# Altium PCB Bran_Main_Assay_PCB_v2_20170826.pcbdoc (part 2 of 4) (continued)
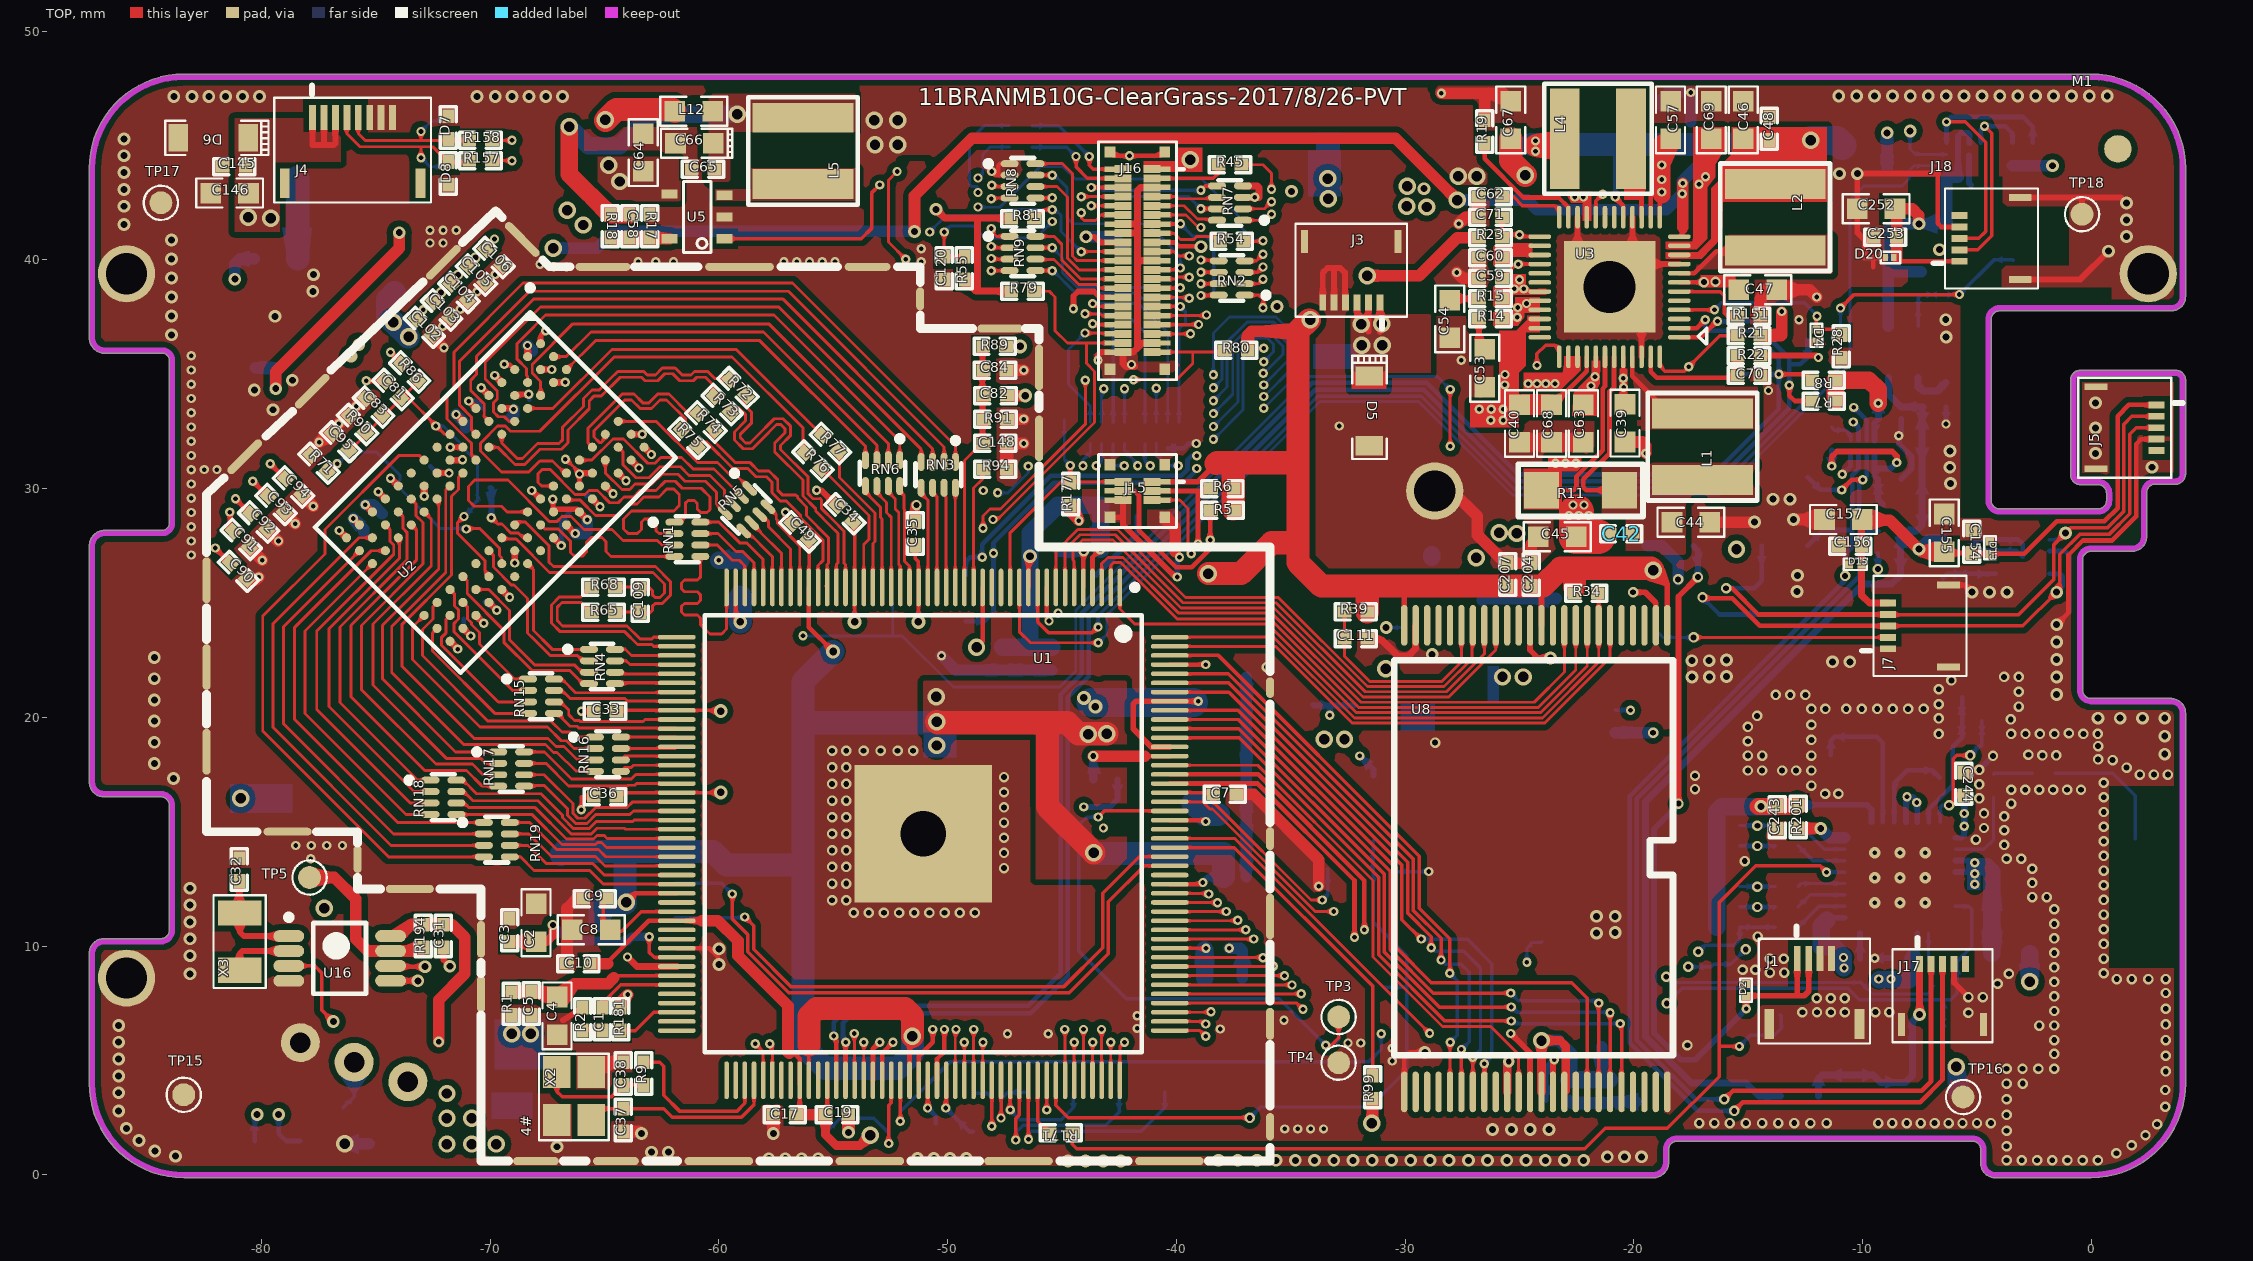
[diagram p0: TOP view]
## Nets (pads, with @x,y where several pads share a name; then routed paths per layer and width w, separated by ;. In a path a pad name is that pad's centre, name@x,y a point inside that pad or via, vN(x,y) a via of type N, cw(c..) or ccw(c..) an arc to the next point about the centre after c; other vN are vias at no path point) (continued)
  TOP w0.305: J16.42@-42.335,35.941 -42.335,35.484 -42.201,35.35 v1@-41.82,35.35 ; J16.42@-42.335,35.97 -41.886,35.97 -41.705,36.15 ; J16.16@-42.335,41.17 -41.709,41.17 ; J16.14@-42.335,41.57 -41.709,41.57 ; J16.39@-41.065,36.37 -41.486,36.37 -41.705,36.15 ; J16.21@-41.065,39.97 -41.564,39.97 -41.705,39.829 ; J16.5@-41.065,43.17 -41.564,43.17 -41.705,43.029 -41.705,39.829 ; RN7.3@-37.09,42.738 -37.085,42.742 -36.384,42.742 -36.384,43.173 -36.448,43.238 RN7.4@-37.09,43.238 ; C111.1@-31.643,23.444 C111.1@-31.647,23.44 -31.601,23.393 -31.025,23.393 -30.314,22.682 -29.855,22.682 -29.533,23.004 U8.23@-29.533,24.024 U8.23@-29.531,24.022 ; -41.705,36.15 -41.705,39.829
  TOP w0.381: C102.2@-72.487,36.661 -72.487,36.635 v1(-72.02,36.168) ; v1(-72.071,37.107) -71.755,37.423 C103.2@-71.725,37.423 ; v1(-71.309,37.844) C104.2@-70.964,38.184 ; v1(-70.572,38.606) -70.231,38.947 C105.2@-70.201,38.947 ; v1(-69.785,39.368) C106.2@-69.44,39.708 ; C35.1@-51.42,28.6 -51.43,28.649 v2@-51.437,29.183 ; v2@-51.437,29.183 -51.437,29.282 v2(-51.361,29.282) v2@-51.437,29.183
  TOP w0.508: C90.2@-80.615,25.993 -80.264,25.993 v1(-80.122,26.135) ; C91.2@-80.488,27.39 v1(-79.97,26.871) ; C92.2@-79.726,28.152 -79.701,28.152 v1(-79.259,27.709) ; C93.2@-78.964,28.914 v1(-78.522,28.471) ; C94.2@-78.202,29.676 -78.177,29.676 v1(-77.735,29.233) ; v1(-77.481,32.027) -77.059,32.449 C95.2@-76.937,32.449 ; v1(-76.617,32.84) -76.247,33.211 R90.1@-76.2,33.211 ; v1(-75.855,33.602) C83.1@-75.49,33.973 ; C10.1@-66.642,9.228 -66.642,11.645 C9.1@-66.125,12.162 ; X2.2@-65.583,4.495 -65.151,4.927 C38.1@-64.186,4.927 ; C37.1@-64.172,1.881 C37.1@-64.186,1.895 -63.477,1.895 v3(-63.385,1.803) ; C17.1@-57.625,2.624 -57.619,2.618 v3(-57.619,1.803) ; v3(-54.339,1.858) C19.1@-54.339,2.624 ; R94.1@-47.415,30.859 C148.1@-47.415,31.977 ; C84.2@-47.369,35.18 v1(-46.674,35.18) ; C148.1@-47.355,31.977 v1(-46.671,31.977) ; R91.1@-47.346,33.042 v1(-46.672,33.042) ; J15.8@-40.505,28.75 -40.042,28.287 -40.042,27.244 ; C7.1@-37.383,16.63 -36.616,16.63 -33.768,13.782 v1(-33.768,12.616) ; pad.0@-28.7,29.9 -27.944,29.9 -26.848,28.804 -26.848,27.992 -25.602,26.746 C207.1@-25.502,26.746 C204.1@-24.486,26.746 -24.486,27.58 C45.2@-24.169,27.897 ; v1(-28.409,47.288) -25.716,47.288 C67.2@-25.375,46.948 ; v1(-27.734,39.454) -27.48,39.2 C59.1@-26.764,39.2 C60.2@-26.764,40.089 ; v1(-27.647,41.588) -27.368,41.867 C71.1@-26.764,41.867 C62.1@-26.764,42.756 ; C53.2@-26.709,34.247 C53.2@-26.518,34.438 ; R19.1@-26.518,46.114 -26.518,47.226 ; C40.1@-24.994,32.025 C68.2@-23.597,32.025 C63.1@-22.2,32.025 ; C39.2@-20.383,32.042 -19.629,32.042 -19.468,31.881 v1(-19.468,31.547) ; C44.2@-16.676,28.532 v3@-14.707,28.532 ; R151.1@-14.461,37.549 -14.461,38.303 -14.072,38.692 C47.2@-13.755,38.692 -12.313,38.692 v1(-12.001,38.379) ; v3(-13.012,28.651) C157.2@-11.658,28.651
  BOTTOM w0.152: R190.2@-30.347,13.229 -30.315,13.261 v1(-28.956,13.261)
  BOTTOM w0.203: RN10.2@-40.376,31.774 RN10.1@-39.876,31.774 -39.683,31.774 -39.483,31.974 v1(-39.127,31.974) ; v1(-10.879,30.632) -10.519,30.992 U20.4@-10.519,31.44 ; v1(-6.344,32.829) C236.2@-6.344,33.579 ; U21.2@-1.822,27.276 -1.139,27.276 -0.94,27.076 -0.94,24.62 v3(-1.506,24.054) ; C238.2@-5.207,27.297 -4.194,27.297 U21.7@-4.172,27.276 -3.247,27.276 U21.9@-2.997,27.026 -2.997,27.584 -3.188,27.776 U21.8@-4.172,27.776 -4.94,27.776 -5.207,27.508 C238.2@-5.207,27.297
  BOTTOM w0.254: C96.2@-69.99,30.044 -69.947,30.002 v1(-69.947,28.725) ; v1(-44.044,16.086) -42.901,16.086 -42.569,16.418 C18.1@-42.569,17.293 ; -43.51,26.213 -41.695,28.028 C20.1@-41.695,28.786 ; v1(-39.962,26.136) -39.962,26.898 v1(-39.86,27) ; v1(-9.456,9.474) C246.2@-8.788,9.474 ; C242.2@-8.3,30.429 -7.849,30.881 -7.849,31.398 -8.406,31.956 v1(-8.406,32.309) -8.3,32.414 C241.2@-8.3,33.045 ; C175.2@-5.563,17.606 -4.986,17.606 v2(-4.889,17.704) -4.889,17.716 v2(-4.291,18.313) ; -5.334,44.577 -5.334,43.358 -5.258,43.282
  BOTTOM w0.508: v4@-76.302,1.354 C41.1@-75.299,1.354 ; v1(-75.459,29.295) -75.118,29.295 C87.2@-74.732,28.91 ; v1(-71.491,33.246) -71.06,32.815 -71.06,32.68 C99.2@-71.068,32.673 ; C101.2@-69.088,33.105 -68.977,33.215 v1(-68.977,33.473) ; v1(-68.369,36.261) -68.169,36.061 C100.2@-68.169,36.005 ; v1(-66.279,28.04) -65.869,28.04 -65.757,28.151 -65.757,28.193 v1(-65.757,28.644) ; v1(-50.267,22.69) -49.64,22.063 C23.1@-47.6,22.063 C21.1@-46.457,22.063 C22.1@-45.441,22.063 ; v1(-37.685,9.902) -37.205,9.902 -37.113,9.81 C15.2@-37.113,8.606 ; C28.1@-36.94,13.038 C30.1@-36.94,14.054 C24.1@-36.94,15.578 C25.1@-36.94,18.741 C26.1@-36.94,20.697 C27.1@-36.94,21.763 ; R35.2@-22.843,3.259 -22.724,3.14 C208.1@-21.946,3.14 C209.1@-21.057,3.14 C209.1@-21.001,3.196 ; C209.1@-20.997,3.2 TP24.1@-19.9,3.2 ; C55.2@-18.771,46.757 -18.771,47.036 -18.479,47.328 -17.501,47.328 C56.2@-17.501,46.05
  BOTTOM w0.762: v1(-60.006,26.871) -59.074,26.871 C142.1@-59.046,26.843
  other v1: -35.263,2.006 -34.696,2.006 -34.128,2.006 -33.561,2.006 -30.564,4.978 -30.564,5.537 -32.494,5.766 -31.935,5.766 -47.379,6.172 -45.601,6.172 -38.082,6.375 -41.714,6.401 -35.288,6.756 -41.714,6.959 -77.85,13.817 -78.5,14.402 -77.82,14.402 -77.141,14.402 -76.462,14.402 -43.188,15.164 -45.169,24.562 -83.066,27.102 -83.066,27.711 -83.066,28.334 -83.066,28.958 -83.066,29.581 -48.445,29.921 -83.066,30.204 -83.066,30.828 -82.507,30.835 -81.948,30.835 -83.066,31.451 -83.066,32.074 -83.066,32.697 -32.879,32.741 -83.066,33.321 -83.066,33.944 -14.109,34.29 -83.066,34.567 -83.066,35.191 -41.959,35.433 -27.541,35.611 -83.066,35.814 -12.776,37.389 -67.223,39.699 -66.659,39.697 -67.824,39.814 -63.533,39.929 -62.758,39.929 -61.984,39.929 -57.158,39.929 -56.599,39.929 -56.04,39.929 -55.481,39.929 -54.922,39.929 -51.154,39.929 -51.154,40.487 -72.635,40.741 -72.059,40.741 -72.635,41.3 -72.059,41.3 -71.483,41.3 -36.575,42.748 -17.505,47.324
  other v2: -3.695,0.635 -3.03,0.635 -2.366,0.635 -1.701,0.635 -1.036,0.635 -0.372,0.635 0.293,0.635 1.106,0.94 -3.695,1.245 1.766,1.295 2.376,1.727 -3.695,1.93 2.884,2.21 -17.131,2.261 -16.471,2.261 -15.8,2.261 -15.095,2.261 -14.39,2.261 -13.685,2.261 -12.979,2.261 -12.274,2.261 -11.569,2.261 -9.308,2.261 -8.699,2.261 -8.064,2.261 -7.454,2.261 -6.844,2.261 -6.235,2.261 -5.625,2.261 -4.99,2.261 -4.381,2.261 -3.695,2.616 3.239,2.972 -3.695,3.302 3.239,3.708 -3.695,3.988 -2.988,3.987 3.265,4.521 -3.695,4.639 -3.001,4.639 -2.306,4.639 -1.612,4.639 3.265,5.207 -1.612,5.283 -17.652,5.664 -1.612,5.893 3.265,5.893 -2.266,6.527 -1.612,6.528 3.265,6.579 -5.367,7.086 -12.622,7.112 -11.987,7.112 -11.378,7.112 -10.768,7.112 -9.435,7.112 -8.826,7.112 -1.612,7.163 3.265,7.264 -11.996,7.721 -11.387,7.721 -10.777,7.721 -4.732,7.772 -1.612,7.798 3.265,7.95 -4.088,8.356 -1.612,8.433 1.119,8.56 1.779,8.56 2.503,8.56 3.265,8.56 -3.593,8.788 0.547,8.814 -14.047,8.839 -13.419,8.839 -15.24,8.966 -14.681,8.966 -1.612,9.068 -14.054,9.449 -13.444,9.449 0.547,9.455 -1.612,9.703 0.547,10.096 -1.612,10.338 -14.578,10.414 0.547,10.736 -1.612,10.973 0.547,11.377 -54.101,11.455 -53.448,11.455 -52.785,11.455 -52.122,11.455 -51.459,11.455 -50.796,11.455 -50.133,11.455 -49.47,11.455 -48.807,11.455 -1.612,11.608 -55.053,12.008 -54.431,12.008 0.547,12.018 -2.577,12.141 -1.942,12.141 0.547,12.659 -55.053,12.734 -54.431,12.734 -2.577,12.763 0.547,13.3 -2.577,13.386 -47.535,13.41 -55.053,13.46 -54.431,13.46 -15.146,13.716 -3.695,13.818 -3.06,13.818 0.547,13.941 -47.535,14.073 -55.053,14.186 -54.431,14.186 -3.796,14.427 0.547,14.582 -5.041,14.656 -47.535,14.736 -55.053,14.912 -54.431,14.912 -3.796,15.062 -4.685,15.164 0.547,15.222 -47.535,15.399 -55.053,15.638 -54.431,15.638 -3.796,15.672 -4.685,15.799 0.547,15.863 -47.535,16.061 -3.492,16.231 -55.053,16.364 -54.431,16.364 -4.889,16.459 0.547,16.504 -11.632,16.662 -11.048,16.662 -47.535,16.724 -3.492,16.84 -2.882,16.84 -2.272,16.84 -1.663,16.84 -1.053,16.84 -0.444,16.84 -17.321,16.865 -12.229,17.018 -4.889,17.069 -55.053,17.09 -54.431,17.09 0.547,17.145 -47.535,17.387 -17.321,17.45 2.135,17.5 2.745,17.5 3.354,17.5 -15.01,17.678 -14.388,17.678 -13.511,17.678 -12.902,17.678 -12.229,17.678 -55.053,17.816 -54.431,17.816 1.549,17.805 0.94,18.136 0.305,18.161 -15.01,18.33 -14.384,18.33 -12.229,18.33 -2.132,18.339 -1.523,18.339 -2.742,18.364 -55.053,18.542 -54.431,18.542 -53.671,18.542 -52.93,18.542 -52.188,18.542 -51.51,18.542 0.305,18.745 -28.684,18.897 -15.01,18.957 -12.229,19.015 -6.666,19.279 -3.503,19.279 -2.87,19.279 -2.238,19.279 -1.605,19.279 -0.34,19.279 0.293,19.279 -0.972,19.304 -15.01,19.583 -12.229,19.68 -3.517,19.914 -6.666,19.958 -14.604,20.066 -12.229,20.371 -11.62,20.371 -10.705,20.371 -10.029,20.371 -9.354,20.371 -8.678,20.371 -8.002,20.371 -7.327,20.371 -3.161,20.472 -6.667,20.574 -13.791,20.98 -13.156,20.98 -12.495,20.98 -3.161,21.12 -6.667,21.234 -6.108,21.615 -3.809,21.768 -3.161,21.768 -36.041,22.199
  other v3: -44.737,0.609 -43.967,0.609 -43.196,0.609 -42.426,0.609 -38.158,0.635 -37.318,0.635 -36.477,0.635 -35.637,0.635 -34.796,0.635 -33.955,0.635 -33.115,0.635 -32.274,0.635 -31.433,0.635 -30.593,0.635 -29.752,0.635 -28.912,0.635 -28.071,0.635 -27.23,0.635 -26.39,0.635 -25.549,0.635 -24.709,0.635 -23.868,0.635 -23.027,0.635 -22.187,0.635 -57.818,0.704 -57.099,0.704 -56.379,0.704 -55.659,0.704 -51.316,0.711 -50.604,0.711 -49.893,0.711 -49.182,0.711 -21.157,0.787 -20.408,0.787 -19.658,0.787 -83.762,0.812 -62.949,0.99 -62.212,0.99 -84.666,1.041 -67.078,1.226 -85.352,1.498 -26.174,1.981 -25.35,1.981 -24.527,1.981 -23.703,1.981 -85.91,2.032 -86.245,2.794 -86.245,3.588 -86.245,4.325 -86.245,5.061 -86.245,5.798 -86.245,6.534 -83.121,8.788 -59.993,9.195 -83.121,9.582 -59.993,9.88 -83.121,10.319 -21.623,10.566 -20.81,10.592 -83.121,11.056 -21.623,11.303 -20.81,11.303 -83.121,11.792 -83.121,12.529 -83.846,17.325 -84.684,17.981 3.218,18.389 -84.684,18.909 3.218,19.177 -84.684,19.837 0.297,19.964 1.271,19.964 2.245,19.964 3.218,19.964 -84.684,20.765 -1.506,21.006 -84.684,21.694 -17.457,21.768 -16.695,21.768 -1.506,21.768 -15.938,21.793 -11.315,22.428 -10.553,22.428 -17.462,22.479 -16.7,22.479 -15.938,22.504 -1.506,22.53 -84.684,22.622 -28.811,22.758 -1.506,23.292 -4.445,25.476 -3.683,25.476 -12.864,25.502 -12.839,26.213 -14.718,28.545 -13.906,29.54 -13.169,29.54 -6.154,30.226 -6.18,30.937 2.655,30.937 0.191,31.547 -6.172,31.648 0.191,32.652 -79.501,33.452 0.191,33.757 -80.313,34.315 -78.65,34.741 -6.336,36.627 -83.929,36.728 -6.358,37.389 -79.412,37.535 -83.929,37.556 -83.929,38.384 -77.755,38.63 -83.929,39.212 -77.73,39.357 -83.929,40.04 -6.625,40.451 -83.929,40.868 1.542,41.021 -86.017,41.554 1.542,41.757 -86.017,42.348 -86.017,43.085 -11,43.774 -86.017,43.822 -86.017,44.558 -86.017,45.295 -83.832,47.143 -83.038,47.143 -82.301,47.143 -81.565,47.143 -80.828,47.143 -80.091,47.143 -70.573,47.143 -69.779,47.143 -69.042,47.143 -68.306,47.143 -67.569,47.143 -66.833,47.143 -11.035,47.168 -10.253,47.168 -9.47,47.168 -8.688,47.168 -7.905,47.168 -7.122,47.168 -6.34,47.168 -5.557,47.168 -4.775,47.168 -3.992,47.168 -3.209,47.168 -2.427,47.168 -1.644,47.168 -0.862,47.168 -0.079,47.168 0.704,47.168
  other v4: -76.353,1.354
  other v6: -9.457,11.887 -8.357,11.887 -7.257,11.887 -9.457,12.987 -8.357,12.987 -7.257,12.987 -9.457,14.087 -8.357,14.087 -7.257,14.087
HPBP: C8.2 C9.2 U1.75 | length 5.1
  TOP w0.152: C9.2@-65.065,12.162 -65.065,12.065 -65.065,10.765 -65.04,10.765 -64.913,10.638 -64.756,10.638 -64.278,10.638 -64.278,10.664 -64.228,10.664 -63.389,11.508 U1.75@-61.84,11.508
HPVCC: C10.2 C15.1 C16.2 C17.2 C18.2 C19.2 C121.2 C122.2 C123.2 C152.2 C154.2 C155.2 C156.1 C157.1 C204.2 C207.2 C208.2 C209.2 C235.1 C240.2 C241.1 C252.2 C253.2 D13.1 D15.1 D20.1 J5.1 J7.5 J15.1 J16.1 J18.1 L12.1 R3.1 R4.1 R5.1 R6.1 R7.1 R8.1 R23.2 R32.1 R34.1 R39.1 R55.2 R79.1 R80.1 R81.1 R99.2 R129.1 R130.1 R131.1 R177.2 R199.1 R213.1 TP12.1 TP23.1 U1.5 U1.76 U1.97 U1.100 U1.142 U1.163 U8.1 U8.12 U8.24 U8.34 U8.37 U8.39 U10.2 U10.3 U10.9 U10.10 U19.1 U20.8 | length 342.3
  TOP w0.152: C17.2@-56.465,2.624 U1.97@-56.465,3.958 ; U1.142@-40.29,9.908 -39.139,9.908 -39.132,9.902 v1(-38.701,9.902)
  TOP w0.203: -64.872,9.295 -63.059,11.108 U1.76@-61.84,11.108 -60.743,11.108 ; -56.97,5.572 -56.465,5.066 U1.97@-56.465,4.133 U1.97@-56.465,3.958 ; C19.2@-55.265,2.699 U1.100@-55.265,4.133 ; U1.5@-44.065,25.683 v2@-44.065,27.241 ; -41.378,18.308 U1.163@-40.29,18.308 ; J16.1@-41.065,43.97 J16.1@-40.475,43.97 ; -8.5,40.1 -8.342,39.942 J18.1@-5.752,39.942 ; v3@-7.556,27.381 v3(-7.53,27.356) ; C155.2@-6.426,27.241 -6.371,27.186 C154.2@-5.219,27.186 -5.186,27.153 D13.1@-4.418,27.153 -2.921,27.153 -1.499,28.575 0.582,28.575 1.157,29.15 1.157,33.172 1.649,33.664 J5.1@2.863,33.664
  TOP w0.254: J15.1@-41.065,30.3 J15.1@-40.475,30.3 -39.048,30.3 -38.251,31.097 ; U8.24@-30.033,24.024 -30.033,25.4 ; C204.2@-24.419,25.679 -24.033,25.293 U8.12@-24.033,24.024 ; v4(-19.152,26.437) -18.533,25.818 U8.1@-18.533,24.024
  TOP w0.305: v3(-50.507,42.215) -50.126,41.834 -48.699,41.834 ; R55.2@-49.262,39.143 -48.753,38.633 R79.1@-47.222,38.633 ; -48.699,38.687 -48.699,41.834 ; R81.1@-47.222,41.808 -47.248,41.834 -48.699,41.834 ; C157.1@-10.031,28.627 -10.031,25.336 -9.696,25 J7.5@-8.88,25
  TOP w0.381: C19.2@-55.339,2.624 -55.339,1.756 -54.864,1.281 -53.819,1.281 v4(-53.373,1.727) ; U8.34@-25.533,3.624 -25.533,4.883 v8(-25.463,4.953) ; U8.37@-24.033,3.624 v4(-24.033,5.871) -23.227,5.871 -22.975,5.619 U8.39@-22.975,3.682
  TOP w0.508: C10.2@-65.642,9.228 -64.872,9.228 ; -60.743,11.108 -60.044,11.108 -59.164,10.228 -59.164,9.571 -56.98,7.387 -56.98,5.664 ; -56.97,5.572 -56.97,5.655 -56.98,5.664 ; -56.928,5.313 -56.98,5.366 -56.98,5.664 ; C17.2@-56.625,2.624 -56.465,2.624 C19.2@-55.339,2.624 ; R177.2@-44.614,29.269 -44.614,28.988 v1@-44.258,28.632 ; v2(-43.628,18.309) -41.378,18.309 ; R80.1@-36.875,36.061 -36.875,36.721 -36.714,36.881 -34.682,36.881 ; v4@-31.552,39.313 -29.374,39.313 -27.708,40.978 R23.2@-26.764,40.978 ; v4(-31.446,2.256) -31.42,2.282 R99.2@-31.42,3.331 ; C204.2@-24.601,25.496 C204.2@-24.419,25.679 ; C157.1@-9.957,28.626 -8.8,28.626 v3@-7.556,27.381 ; -8.5,40.1 C253.2@-8.5,40.989 -8.5,42.167 C252.2@-8.574,42.241 -7.824,42.241 -7.53,41.947 v3(-7.53,41.58) ; v3(-7.53,27.356) -7.416,27.241 C155.2@-6.426,27.241
  TOP w0.762: R7.1@-11.196,33.833 R8.1@-11.196,34.747 -9.715,34.747 -9.308,34.341 v1(-9.308,33.731)
  TOP w1.016: v4@-64.96,46.101 -64.478,46.583 -62.006,46.583 L12.1@-61.924,46.501 ; v4(-38.594,26.289) -37.172,26.289 -35.826,27.635 -34.682,27.635 ; -38.251,31.097 -38.215,31.134 -37.502,31.134 ; R5.1@-37.51,29.127 -37.51,31.126 -37.502,31.134 ; v4@-34.188,37.376 -34.682,36.881 -34.682,31.134 ; R39.1@-31.647,24.608 -31.647,25.746 ; -22.584,25.698 -22.584,26.1 ; v4(-19.152,26.437) -19.24,26.525 -23.191,26.525 -23.97,25.746 C204.2@-24.486,25.746 C207.2@-25.502,25.746 -31.647,25.746 ; -37.502,31.134 -34.682,31.134 ; -34.682,27.635 -34.682,26.772 -33.657,25.746 -31.647,25.746 ; -34.682,27.635 -34.682,31.134
  Singal w0.508: v2(-44.044,27.262) -44.044,22.135 -44.704,21.474 -44.704,18.781 -44.233,18.309 v2(-43.628,18.309)
  Singal w0.762: v4(-15.506,27.356) v3(-7.53,27.356)
  Singal w1.016: v4@-64.96,46.126 -63.08,46.126 -59.295,42.342 v3@-50.634,42.342 ; v3(-50.507,42.215) -50.507,43.529 -48.519,45.517 -39.378,45.517 ; v4@-39.378,44.378 -39.378,45.517 ; v4@-34.098,37.389 -33.26,37.389 -31.711,38.938 -31.711,44.069 -33.159,45.517 -39.378,45.517
  POWER w0.508: v3(-8.919,45.559) -8.919,42.968 v3(-7.53,41.58) -7.493,41.617 -7.493,43.383 -6.756,44.12 v3(-1.688,44.12)
  POWER w0.762: v1(-9.308,33.731) -7.581,33.731 -7.53,33.68 ; v3(-7.53,27.356) -7.53,33.68 ; v3@-7.53,41.605 v3(-7.53,41.58) -7.53,33.68
  POWER w1.016: v4(-53.373,1.727) -53.373,2.565 -52.044,3.894 -44.946,3.894 -43.312,2.261 -38.24,2.261 -37.173,3.327 ; v1@-44.233,28.441 -44.233,26.746 -42.734,25.247 -39.636,25.247 v4(-38.594,26.289) ; v1(-38.701,9.902) -38.701,9.149 -37.121,7.569 -37.121,3.38 -37.173,3.327 ; v4(-24.033,5.871) v4@-24.033,6.027 ; v4(-15.506,27.356) -18.376,27.356 -19.152,26.58 v4(-19.152,26.437) v2(-19.152,19.325) -19.152,10.624 -21.013,8.763 -23.042,8.763 -24.033,7.772 v4@-24.033,6.027 ; -37.173,3.327 -33.47,3.327 -32.422,2.279 -27.781,2.279 v4@-24.033,6.027
  BOTTOM w0.254: U20.8@-9.469,32.11 -9.469,32.877 C241.1@-9.3,33.045 ; U10.9@-5.824,43.619 U10.2@-5.824,45.119 -5.824,45.415 -5.688,45.551 -5.383,45.551 -5.324,45.491 U10.3@-5.324,45.119
  BOTTOM w0.305: v1(-9.308,33.731) -9.3,33.723 C241.1@-9.3,33.045
  BOTTOM w0.381: C18.2@-43.629,17.293 -43.628,17.294 v2(-43.628,18.309)
  BOTTOM w0.508: C16.2@-45.122,27.265 -44.047,27.265 v2(-44.044,27.262) ; v4(-24.033,5.871) -23.288,5.871 -22.708,5.291 -22.708,4.283 R32.1@-22.843,4.148 ; -21.4,4.197 TP23.1@-21.4,5.6 ; R131.1@-20.803,19.333 -19.16,19.333 v2(-19.152,19.325) ; R129.1@-8.919,43.942 R130.1@-8.919,44.852 v3(-8.919,45.559) ; TP12.1@-8.91,39.99 TP12.1@-8.9,40 ; U19.1@-8.866,37.107 C235.1@-8.866,38.386 ; v3(-7.53,27.356) -7.111,27.775 R213.1@-6.452,27.775 ; R199.1@-7.429,39.489 -8.389,39.489 ; U10.9@-5.824,43.619 U10.10@-6.324,43.619 -6.324,41.652 C152.2@-6.272,41.601 -6.293,41.58 v3(-7.53,41.58) -8.572,41.58 -8.866,41.285 TP12.1@-8.866,40 ; R3.1@-3.44,44.123 R4.1@-2.551,44.123 v3@-1.688,44.123 ; TP12.1@-8.9,40 TP12.1@-8.866,40 ; TP12.1@-8.9,40 TP12.1@-8.866,39.966 ; C235.1@-8.866,38.386 C235.1@-8.866,38.474 ; C235.1@-8.866,38.386 C235.1@-8.91,38.43 C235.1@-8.866,38.474 ; C235.1@-8.866,38.474 -8.866,39.472 ; -8.866,39.472 -8.849,39.489 -8.389,39.489 ; -8.866,39.472 TP12.1@-8.866,39.966 ; TP12.1@-8.866,39.966 TP12.1@-8.866,40 ; TP12.1@-8.866,39.966 -8.389,39.489
  BOTTOM w0.762: C15.1@-38.764,8.606 v1@-38.764,9.838 ; R32.1@-22.843,4.148 C209.2@-21.065,4.148
  other v1: -44.258,28.594
  other v4: -34.149,37.389 -31.66,39.319 -39.382,44.374 -64.974,46.134
IPSOUT: C39.1 C40.2 C47.1 C50.1 C57.1 C64.1 C67.1 C68.1 D18.2 L19.2 TP13.1 U3.7 U3.13 U3.14 U3.21 U3.34 U3.35 U3.40 U3.44 U4.4 U5.4 | length 72.3
  TOP w0.203: C40.2@-24.994,33.676 -25.629,34.311 -25.629,34.537 v1(-25.629,34.995) -25.629,36.152 -24.768,37.013 -24.768,37.019 U3.35@-24.107,37.019 ; C68.1@-23.597,33.676 -23.524,33.676 -22.057,35.142 U3.40@-22.057,35.769 ; U3.44@-20.457,35.769 v1(-20.457,34.831) -20.457,34.424 -20.457,33.838 -20.348,33.728 C39.1@-20.295,33.676 ; U3.14@-19.257,41.869 -19.257,42.905 -19.066,43.096 -18.857,43.096 -18.857,42.969 U3.13@-18.857,41.869 ; U3.7@-18.007,39.019 -16.949,39.019 v2(-16.933,39.035) v2@-16.917,39.051
  TOP w0.508: v1@-26.772,33.358 -26.754,33.358 -26.246,33.358 -26.233,33.358 -25.891,33.358 ; -25.883,33.35 -25.712,33.35 -25.32,33.35 C40.2@-24.994,33.676 ; v2@-16.933,39.051 -16.917,39.051 v2(-16.425,39.051) -15.764,39.051 C47.1@-15.406,38.692
  TOP w0.762: v1@-18.771,42.842 v1(-18.771,42.969) v1(-18.771,43.518) v1(-18.771,44.153) C57.1@-18.771,45.106
  TOP w0.889: C40.2@-24.994,33.676 C68.1@-23.597,33.676
  TOP w1.016: C67.1@-25.375,45.297 -25.375,44.344 v4(-24.74,43.709)
  POWER w1.016: v4@-27.647,43.645 -27.636,43.656 v4(-26.859,43.656) -24.74,43.656 -23.405,43.656 -22.543,42.794 v1@-22.505,42.756
  POWER w2.032: -76.11,36.239 -76.11,36.296 -76.11,42.157 -75.246,43.021 -68.502,43.021 -67.384,44.139 v4(-64.807,44.139) -64.335,44.139 -55.409,44.139 -53.98,45.568 -53.199,45.568 -53.174,45.568 -52.183,45.568 -52.056,45.568 ; -26.504,34.014 -26.504,33.477 -26.504,32.994 -26.504,31.14 -25.336,29.972 -25.336,28.067 -25.336,28.041 -25.336,21.768 -25.336,21.742
  BOTTOM w0.762: L19.2@-28.828,27 L19.2@-28.828,27.114
  other v1: -26.246,32.994 -25.712,32.994 -26.754,33.477 -26.233,33.477 -25.712,33.477 -20.443,34.424 -25.64,34.537 -22.581,42.756 -22.2,42.756
  other v4: -25.738,21.768 -24.823,21.768 -25.119,28.041 -25.881,28.067 -64.335,43.431 -27.672,43.656 -53.174,45.034 -52.183,45.034 -53.199,46.101 -52.183,46.101
  other v7: -76.081,35.788 -75.75,36.296
JTAG_CLK: TP89.1 U1.113 | length 2.8
  TOP w0.203: v1@-50.065,2.943 U1.113@-50.065,4.133
  BOTTOM w0.203: v1(-50.087,2.921) -49.044,1.877 TP89.1@-48.9,1.877
JTAG_DO: TP85.1 U1.111 | length 2
  TOP w0.203: v1@-50.865,2.931 U1.111@-50.865,4.133
  BOTTOM w0.203: v1(-50.875,2.921) -50.519,2.565 -50.519,2.258
LCD-CLK: R54.2 U1.129 | length 58.9
  TOP w0.127: U1.129@-43.665,4.133 v1@-43.665,5.788 ; R54.2@-37.078,40.811 -36.206,40.811 v1@-36.181,40.811
  Singal w0.127: v1(-48.674,42.316) -48.903,42.088 -48.903,32.825 -46.503,30.425 -44.159,30.425 -41.952,28.218 -41.952,8.653 -43.654,6.951 v1(-43.654,5.799)
  BOTTOM w0.127: v1(-48.674,42.316) -48.662,42.304 -47.721,42.304 -45.947,44.078 -44.953,44.078 -44.414,43.538 -38.895,43.538 -37.175,41.818 -37.175,41.43 -36.581,40.837 v1(-36.206,40.837) v1@-36.156,40.837
LCD-D2: RN7.2 U1.148 | length 34.8
  TOP w0.127: U1.148@-40.29,12.308 v1@-38.615,12.308 ; RN7.2@-37.09,42.238 -36.145,42.238 v1(-35.838,42.545)
  Singal w0.127: v1(-38.583,12.276) -37.794,13.065 -37.794,41.249 -37.006,42.037 -36.346,42.037 v1(-35.838,42.545)
LCD-D3: RN7.1 U1.147 | length 35
  TOP w0.127: U1.147@-40.29,11.908 -38.736,11.908 ; -38.736,11.908 v1@-38.215,11.908 ; RN7.1@-37.09,41.738 -36.099,41.738 v1(-35.838,41.999)
  Singal w0.127: v1(-38.202,11.895) -37.527,12.57 -37.527,41.192 -37.019,41.7 -36.136,41.7 v1(-35.838,41.999)
LCD-D4: RN2.4 U1.146 | length 33.1
  TOP w0.127: U1.146@-40.29,11.508 v1@-37.827,11.508 ; RN2.4@-37.013,39.961 -36.498,39.961 v1(-36.206,40.252)
  Singal w0.127: v1(-37.821,11.514) -37.299,12.036 -37.299,39.719 -36.765,40.252 v1(-36.206,40.252)
LCD-D5: RN2.3 U1.145 | length 33.2
  TOP w0.127: U1.145@-40.29,11.108 v1@-37.338,11.108 ; RN2.3@-36.984,39.49 RN2.3@-37.013,39.461 -36.439,39.461 v1(-36.206,39.694)
  Singal w0.127: v1(-37.313,11.133) -37.07,11.376 -37.07,39.262 -36.638,39.694 v1(-36.206,39.694)
LCD-D6: RN2.2 U1.144 | length 33.1
  TOP w0.127: U1.144@-40.29,10.708 v1@-36.976,10.708 ; RN2.2@-37.013,38.961 -36.406,38.961 v1(-36.206,39.16)
  Singal w0.127: v1(-36.968,10.712) -36.816,10.865 -36.816,38.862 -36.518,39.16 v1(-36.206,39.16)
LCD-D7: RN2.1 U1.143 | length 32.7
  TOP w0.127: U1.143@-40.29,10.308 v1(-36.614,10.308) ; RN2.1@-37.013,38.461 -36.396,38.461 -36.206,38.271 v1(-36.206,37.916)
  Singal w0.127: v1(-36.614,10.308) -36.587,10.335 -36.587,37.535 v1(-36.206,37.916)
LCD-D10: RN8.3 U1.141 | length 57.8
  TOP w0.127: v1(-48.069,43.269) -48.009,43.209 RN8.3@-47.287,43.209 ; U1.141@-40.29,9.508 -36.224,9.508 v1(-36.211,9.495)
  Singal w0.127: v1(-48.069,43.269) -47.878,43.078 -46.849,43.078 -46.316,42.545 -46.316,38.974 -44.36,37.018 -44.36,33.852 -44.055,33.547 -40.239,33.547 -39.064,34.722 -38.632,34.722 v1(-38.378,34.976) ; v1(-36.211,9.495) -35.292,10.415 -35.292,22.835 -36.181,23.724 v1(-36.181,33.521)
  BOTTOM w0.127: v1(-38.378,34.976) -38.378,36.804 -37.673,37.509 -35.648,37.509 -34.657,36.519 -34.657,35.033 -36.168,33.521 v1(-36.181,33.521)
LCD-D11: RN8.4 U1.140 | length 57.8
  TOP w0.127: v1@-48.069,42.672 -48.031,42.709 RN8.4@-47.287,42.709 ; U1.140@-40.29,9.108 -35.761,9.108 v1(-35.754,9.114)
  Singal w0.127: v1@-48.069,42.672 -46.875,42.672 -46.545,42.342 -46.545,38.879 -44.589,36.923 -44.589,33.63 -44.277,33.318 -40.144,33.318 -39.05,34.412 v1(-38.378,34.412) ; v1(-36.181,34.029) -36.168,34.029 -35.775,33.636 -35.775,23.64 -35.063,22.929 -35.063,9.805 v1(-35.754,9.114)
  BOTTOM w0.127: v1(-38.378,34.412) -38.01,34.78 -38.01,36.182 -36.911,37.281 -35.742,37.281 -34.886,36.424 -34.886,35.312 -36.168,34.029 v1(-36.181,34.029)
  other v1: -48.094,42.672
LCD-D12: RN9.1 U1.139 | length 57.1
  TOP w0.127: v1@-47.967,41.377 -47.967,41.136 -47.865,41.034 RN9.1@-47.287,41.034 ; U1.139@-40.29,8.708 v1(-35.272,8.708)
  Singal w0.127: v1@-47.967,41.377 -47.332,41.377 -46.773,40.818 -46.773,38.784 -44.817,36.828 -44.817,33.536 -44.371,33.09 -40.049,33.09 -39.291,33.848 v1(-38.378,33.848) ; v1@-36.168,34.537 -35.546,33.915 -35.546,23.735 -34.835,23.024 -34.835,9.145 v1(-35.272,8.708)
  BOTTOM w0.127: v1(-38.378,33.848) -37.781,34.445 -37.781,36.086 -36.815,37.052 -35.837,37.052 -35.114,36.329 -35.114,35.604 v1(-36.181,34.537)
  other v1: -48.094,41.377
LCD-D13: RN9.2 U1.138 | length 57.1
  TOP w0.127: v1(-48.094,40.589) -48.039,40.534 RN9.2@-47.287,40.534 ; U1.138@-40.29,8.308 -34.948,8.308 v1(-34.941,8.301)
  Singal w0.127: v1(-48.094,40.589) -47.332,40.589 -47.002,40.259 -47.002,38.69 -45.046,36.734 -45.046,33.441 -44.441,32.836 -39.953,32.836 -39.504,33.284 v1(-38.378,33.284) ; v1@-36.168,35.045 -35.317,34.195 -35.317,23.83 -34.606,23.119 -34.606,8.637 v1(-34.941,8.301)
  BOTTOM w0.127: v1(-38.378,33.284) -37.533,34.129 -37.533,36.011 -36.72,36.823 -35.932,36.823 -35.343,36.235 -35.343,35.871 -36.168,35.045 v1(-36.194,35.045)
LCD-D14: RN9.3 U1.137 | length 57.1
  TOP w0.127: v1@-48.094,40.081 -48.084,40.071 -48.047,40.034 RN9.3@-47.287,40.034 ; U1.137@-40.29,7.908 -34.548,7.908 v1(-34.535,7.92)
  Singal w0.127: v1@-48.094,40.081 -47.51,40.081 -47.23,39.802 -47.23,38.595 -45.275,36.639 -45.275,33.346 -44.535,32.607 -39.75,32.607 -39.637,32.72 v1(-38.378,32.72) ; v1@-36.156,35.553 -35.089,34.487 -35.089,23.925 -34.378,23.213 -34.378,8.078 v1(-34.535,7.92)
  BOTTOM w0.127: v1(-38.378,32.72) -37.304,33.794 -37.304,35.916 -36.625,36.595 -36.026,36.595 -35.749,36.318 -35.749,35.985 v1(-36.181,35.553)
  other v1: -48.094,40.062
LCD-D15: RN9.4 U1.136 | length 57
  TOP w0.127: v1@-48.082,39.534 RN9.4@-47.287,39.534 ; U1.136@-40.29,7.508 -34.732,7.508 v1(-34.459,7.235)
  Singal w0.127: v1@-48.082,39.534 -47.649,39.534 -47.459,39.345 -47.459,38.456 -45.503,36.5 -45.503,33.252 -44.63,32.378 -38.956,32.378 -38.734,32.156 v1(-38.378,32.156) ; v1(-36.181,36.138) -34.86,34.817 -34.86,24.079 -34.149,23.368 -34.149,7.544 v1(-34.459,7.235)
  BOTTOM w0.127: v1(-38.378,32.156) -37.076,33.458 -37.076,35.821 -36.759,36.138 v1(-36.181,36.138)
  other v1: -48.094,39.534
LCD-D18: RN10.3 U1.135 | length 29.1
  TOP w0.127: U1.135@-40.29,7.108 -38.497,7.108 v1(-38.481,7.124)
  Singal w0.127: v1(-39.915,31.009) -39.915,30.501 -40.521,29.895 -40.521,8.118 -39.527,7.124 v1(-38.481,7.124)
  BOTTOM w0.127: RN10.3@-40.876,31.974 RN10.3@-40.876,31.774 -40.876,31.492 -40.393,31.009 v1(-39.915,31.009)
LCD-D19: RN10.4 U1.134 | length 28.7
  TOP w0.127: U1.134@-40.29,6.708 -38.825,6.708 v1(-38.71,6.593)
  Singal w0.127: v1(-41.134,31.007) -41.134,29.206 -40.749,28.821 -40.749,7.711 -39.631,6.593 v1(-38.71,6.593)
  BOTTOM w0.127: RN10.4@-41.376,31.974 RN10.4@-41.376,31.774 -41.376,31.216 -41.167,31.007 v1(-41.134,31.007)
LCD-D20: RN11.1 U1.133 | length 29.6
  TOP w0.127: U1.133@-40.29,6.308 -38.965,6.308 v1(-38.71,6.053)
  Singal w0.127: v1(-41.693,31.007) -41.693,29.442 -40.978,28.727 -40.978,7.432 -39.599,6.053 v1(-38.71,6.053)
  BOTTOM w0.127: RN11.1@-42.264,31.974 RN11.1@-42.264,31.774 -42.264,31.656 -41.718,31.111 -41.718,31.032 v1(-41.693,31.007)